# KiCad board nyx.kicad_pcb
title: Nyx; date: 2023-08-05; rev: 2; note: Copyright © 2023 HorrorTroll; note: GPL2 License
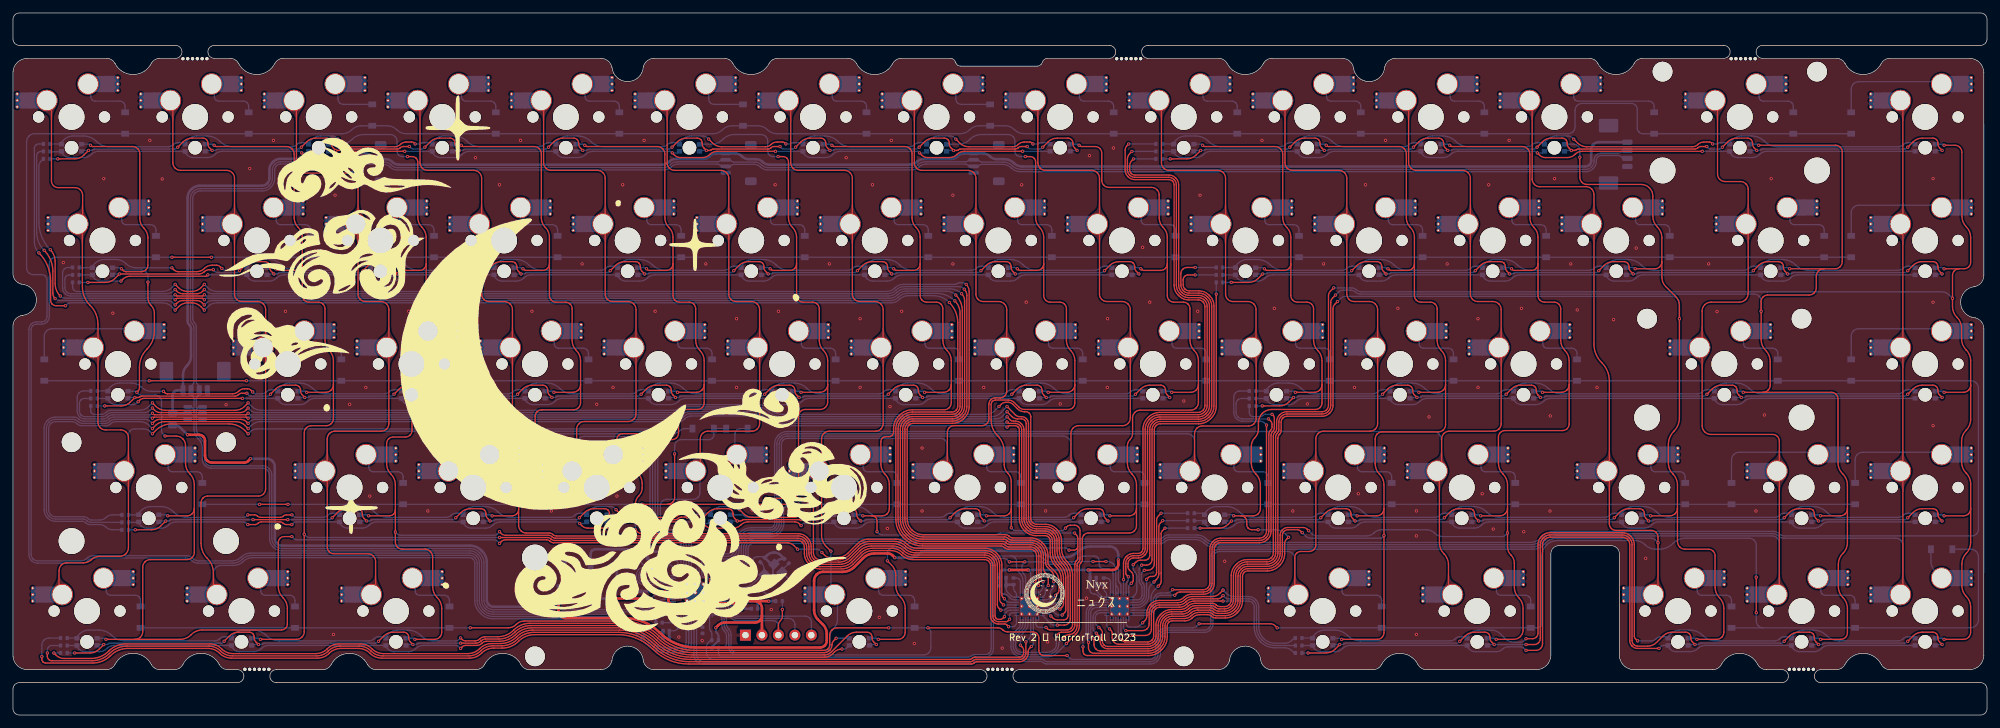
[diagram p0: board, top side]
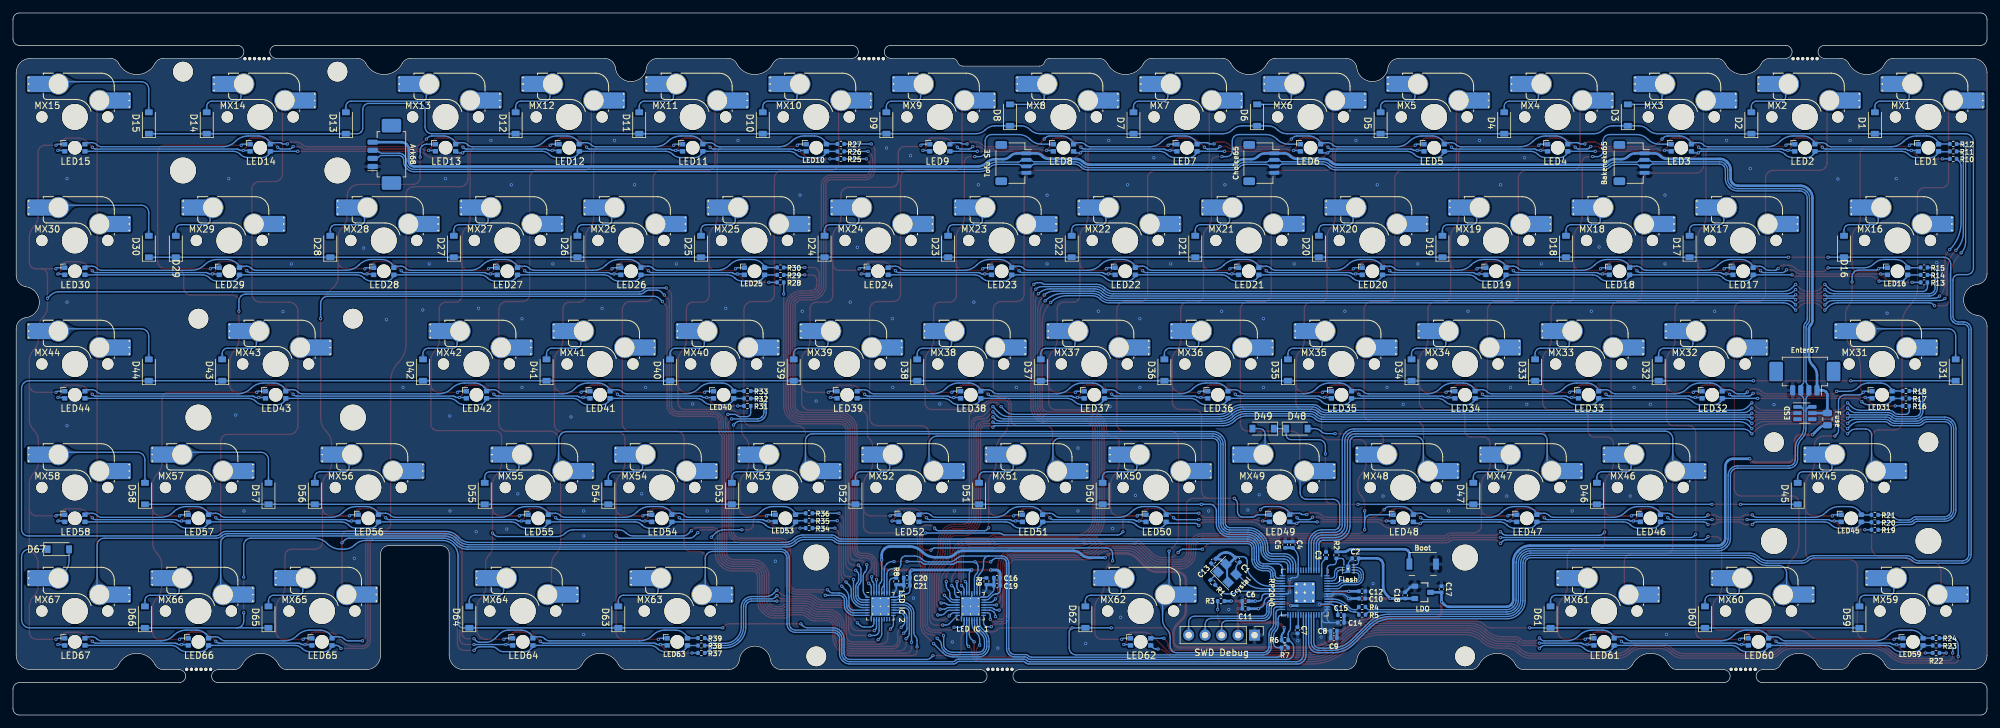
[diagram p1: board, bottom side, seen from below]

Outline 304.32 x 108.27 mm; copper layers: Top, Bottom. Coordinates in mm from the lower left corner of the outline.
Outline path: 34.6,5 1,5 arc(0.29,4.71) 0,4 0,1 arc(0.29,0.29) 1,0 303.32,0 arc(304.03,0.29) 304.32,1 304.32,4 arc(304.03,4.71) 303.32,5 278.7,5 ; 25.05,103.27 1,103.27 arc(0.29,103.57) 0,104.27 0,107.27 arc(0.29,107.98) 1,108.27 303.32,108.27 arc(304.03,107.98) 304.32,107.27 304.32,104.27 arc(304.03,103.57) 303.32,103.27 269.72,103.27 ; 25.05,101.27 22.65,101.27 arc(21.87,101.06) 21.32,100.47 arc(18.52,98.77) 15.73,100.47 arc(15.18,101.06) 14.4,101.27 2.22,101.27 arc(0.65,100.62) 0,99.05 0,68.09 arc(0.39,67.02) 1.36,66.45 arc(3.62,64.07) 1.44,61.62 arc(0.41,61.07) 0,59.98 0,9.22 arc(0.65,7.65) 2.22,7 14.4,7 arc(15.18,7.23) 15.73,7.83 arc(18.52,9.52) 21.32,7.83 arc(21.87,7.23) 22.65,7 24.88,7 arc(25.66,7.23) 26.21,7.83 arc(29,9.52) 31.79,7.83 arc(32.34,7.23) 33.12,7 34.6,7 ; 31.05,101.27 33.45,101.27 arc(34.23,101.06) 34.78,100.47 arc(37.57,98.77) 40.37,100.47 arc(40.92,101.06) 41.7,101.27 90.6,101.27 arc(91.72,100.88) 92.34,99.87 arc(94.8,97.68) 97.18,99.95 arc(97.78,100.9) 98.85,101.27 109.65,101.27 arc(110.43,101.06) 110.98,100.47 arc(113.77,98.77) 116.57,100.47 arc(117.12,101.06) 117.9,101.27 128.7,101.27 arc(129.48,101.06) 130.03,100.47 arc(132.83,98.77) 135.62,100.47 arc(136.17,101.06) 136.95,101.27 144.5,101.27 arc(145,101.11) 145.3,100.67 arc(145.6,100.24) 146.1,100.07 157.9,100.07 arc(158.4,100.24) 158.7,100.67 arc(159,101.11) 159.5,101.27 169,101.27 ; 40.6,7 47.74,7 arc(48.52,7.23) 49.07,7.83 arc(51.86,9.52) 54.66,7.83 arc(55.21,7.23) 55.99,7 71.38,7 arc(72.16,7.23) 72.71,7.83 arc(75.5,9.52) 78.29,7.83 arc(78.84,7.23) 79.62,7 90.6,7 arc(91.73,7.41) 92.34,8.44 arc(94.8,10.63) 97.18,8.36 arc(97.77,7.38) 98.85,7 149.16,7 ; 40.6,5 149.16,5 ; 155.16,7 185.8,7 arc(186.93,7.41) 187.54,8.44 arc(189.99,10.63) 192.38,8.36 arc(192.97,7.38) 194.05,7 209.66,7 arc(210.45,7.23) 211,7.83 arc(213.79,9.52) 216.58,7.83 arc(217.13,7.23) 217.91,7 234.82,7 arc(236.42,7.66) 237.07,9.25 237.07,24.87 arc(237.44,25.76) 238.32,26.12 246.4,26.12 arc(247.28,25.76) 247.65,24.87 247.65,9.25 arc(248.31,7.66) 249.9,7 262.05,7 arc(262.83,7.23) 263.38,7.83 arc(266.17,9.52) 268.97,7.83 arc(269.52,7.23) 270.3,7 272.7,7 ; 155.16,5 272.7,5 ; 169,103.27 31.05,103.27 ; 175,103.27 263.72,103.27 ; 175,101.27 185.85,101.27 arc(186.63,101.06) 187.18,100.47 arc(189.97,98.77) 192.77,100.47 arc(193.32,101.06) 194.1,101.27 204.9,101.27 arc(206.02,100.88) 206.64,99.87 arc(209.1,97.68) 211.48,99.95 arc(212.08,100.9) 213.15,101.27 243,101.27 arc(243.78,101.06) 244.33,100.47 arc(247.12,98.77) 249.92,100.47 arc(250.47,101.06) 251.25,101.27 263.72,101.27 ; 269.72,101.27 281.1,101.27 arc(281.88,101.06) 282.43,100.47 arc(285.23,98.77) 288.02,100.47 arc(288.57,101.06) 289.35,101.27 301.6,101.27 arc(303.17,100.62) 303.82,99.05 303.83,67.81 arc(303.43,66.69) 302.43,66.07 arc(300.25,63.62) 302.51,61.25 arc(303.46,60.64) 303.83,59.58 303.82,9.22 arc(303.17,7.65) 301.6,7 289.35,7 arc(288.57,7.23) 288.02,7.83 arc(285.23,9.52) 282.43,7.83 arc(281.88,7.23) 281.1,7 278.7,7
Stack: Top 0.035mm / dielectric 1.51mm FR4 er 4.5 / Bottom 0.035mm

## Placement (name value [footprint] x y rotation side)
C1  22p  [C_0402_1005Metric]  115.55 23.92 45 bottom
C2  100n  [C_0402_1005Metric]  97.37 24.17 0 bottom
C3  10u  [C_0402_1005Metric]  101.9 24.67 90 bottom
C4  100n  [C_0402_1005Metric]  107.03 26.27 90 bottom
C5  100n  [C_0402_1005Metric]  108.2 26.27 90 bottom
C6  100n  [C_0402_1005Metric]  114.33 17.57 0 bottom
C7  100n  [C_0402_1005Metric]  106.3 13.07 270 bottom
C8  100n  [C_0402_1005Metric]  100.7 13 180 bottom
C9  100n  [C_0402_1005Metric]  100.7 11.87 180 bottom
C10  100n  [C_0402_1005Metric]  96.33 17.97 180 bottom
C11  100n  [C_0402_1005Metric]  114.33 16.4 0 bottom
C12  100n  [C_0402_1005Metric]  96.33 19.08 180 bottom
C13  22p  [C_0402_1005Metric]  119.27 23.74 135 bottom
C14  1u  [C_0402_1005Metric]  99.6 14.25 180 bottom
C15  1u  [C_0402_1005Metric]  99.6 15.4 180 bottom
C16  100n  [C_0402_1005Metric]  152.62 21.17 0 bottom
C17  1u  [C_0402_1005Metric]  84.1 19.4 90 bottom
C18  1u  [C_0402_1005Metric]  89.7 18.45 90 bottom
C19  1u  [C_0402_1005Metric]  152.62 19.97 0 bottom
C20  100n  [C_0402_1005Metric]  166.52 21.17 0 bottom
C21  1u  [C_0402_1005Metric]  166.52 19.97 0 bottom
D1  1N4148W  [D_SOD-123]  17.28 91.3 90 bottom
D2  1N4148W  [D_SOD-123]  36.33 91.3 90 bottom
D3  1N4148W  [D_SOD-123]  55.38 92.52 90 bottom
D4  1N4148W  [D_SOD-123]  74.43 91.3 90 bottom
D5  1N4148W  [D_SOD-123]  93.48 91.3 90 bottom
D6  1N4148W  [D_SOD-123]  112.53 92.52 90 bottom
D7  1N4148W  [D_SOD-123]  131.58 91.3 90 bottom
D8  1N4148W  [D_SOD-123]  150.63 92.52 90 bottom
D9  1N4148W  [D_SOD-123]  169.68 91.3 90 bottom
D10  1N4148W  [D_SOD-123]  188.73 91.3 90 bottom
D11  1N4148W  [D_SOD-123]  207.78 91.3 90 bottom
D12  1N4148W  [D_SOD-123]  226.83 91.3 90 bottom
D13  1N4148W  [D_SOD-123]  253 91.3 90 bottom
D14  1N4148W  [D_SOD-123]  274.46 91.3 90 bottom
D15  1N4148W  [D_SOD-123]  283.38 91.3 90 bottom
D16  1N4148W  [D_SOD-123]  22.04 72.25 90 bottom
D17  1N4148W  [D_SOD-123]  45.86 72.25 90 bottom
D18  1N4148W  [D_SOD-123]  64.91 72.25 90 bottom
D19  1N4148W  [D_SOD-123]  83.96 72.25 90 bottom
D20  1N4148W  [D_SOD-123]  103.01 72.25 90 bottom
D21  1N4148W  [D_SOD-123]  122.06 72.25 90 bottom
D22  1N4148W  [D_SOD-123]  141.11 72.25 90 bottom
D23  1N4148W  [D_SOD-123]  160.16 72.25 90 bottom
D24  1N4148W  [D_SOD-123]  179.21 72.25 90 bottom
D25  1N4148W  [D_SOD-123]  198.26 72.25 90 bottom
D26  1N4148W  [D_SOD-123]  217.31 72.25 90 bottom
D27  1N4148W  [D_SOD-123]  236.36 72.25 90 bottom
D28  1N4148W  [D_SOD-123]  255.41 72.25 90 bottom
D29  1N4148W  [D_SOD-123]  279.22 72.25 90 bottom
D30  1N4148W  [D_SOD-123]  283.38 72.25 90 bottom
D31  1N4148W  [D_SOD-123]  4.83 53.2 90 bottom
D32  1N4148W  [D_SOD-123]  50.62 53.2 90 bottom
D33  1N4148W  [D_SOD-123]  69.67 53.2 90 bottom
D34  1N4148W  [D_SOD-123]  88.72 53.2 90 bottom
D35  1N4148W  [D_SOD-123]  107.77 53.2 90 bottom
D36  1N4148W  [D_SOD-123]  126.82 53.2 90 bottom
D37  1N4148W  [D_SOD-123]  145.87 53.2 90 bottom
D38  1N4148W  [D_SOD-123]  164.92 53.2 90 bottom
D39  1N4148W  [D_SOD-123]  183.97 53.2 90 bottom
D40  1N4148W  [D_SOD-123]  203.02 53.2 90 bottom
D41  1N4148W  [D_SOD-123]  222.07 53.2 90 bottom
D42  1N4148W  [D_SOD-123]  241.12 53.2 90 bottom
D43  1N4148W  [D_SOD-123]  272.08 53.2 90 bottom
D44  1N4148W  [D_SOD-123]  283.38 53.2 90 bottom
D45  1N4148W  [D_SOD-123]  29.19 34.15 90 bottom
D46  1N4148W  [D_SOD-123]  60.14 34.15 90 bottom
D47  1N4148W  [D_SOD-123]  79.19 34.15 90 bottom
D48  1N4148W  [D_SOD-123]  106.4 44.17 180 bottom
D49  1N4148W  [D_SOD-123]  111.6 44.17 0 bottom
D50  1N4148W  [D_SOD-123]  136.34 34.15 90 bottom
D51  1N4148W  [D_SOD-123]  155.39 34.15 90 bottom
D52  1N4148W  [D_SOD-123]  174.44 34.15 90 bottom
D53  1N4148W  [D_SOD-123]  193.49 34.15 90 bottom
D54  1N4148W  [D_SOD-123]  212.54 34.15 90 bottom
D55  1N4148W  [D_SOD-123]  231.59 34.15 90 bottom
D56  1N4148W  [D_SOD-123]  257.79 34.15 90 bottom
D57  1N4148W  [D_SOD-123]  264.93 34.15 90 bottom
D58  1N4148W  [D_SOD-123]  283.98 34.15 90 bottom
D59  1N4148W  [D_SOD-123]  19.66 15.1 90 bottom
D60  1N4148W  [D_SOD-123]  43.48 15.1 90 bottom
D61  1N4148W  [D_SOD-123]  67.29 15.1 90 bottom
D62  1N4148W  [D_SOD-123]  139 15.1 90 bottom
D63  1N4148W  [D_SOD-123]  211 15.1 90 bottom
D64  1N4148W  [D_SOD-123]  233.98 15.1 90 bottom
D65  1N4148W  [D_SOD-123]  264.93 15.1 90 bottom
D66  1N4148W  [D_SOD-123]  283.98 15.1 90 bottom
D67  1N4148W  [D_SOD-123]  297.33 25.57 180 bottom
ESD1  SRV05-4  [SOT-23-6]  28.09 46.57 180 bottom
F1  500mA  [Fuse_0805_2012Metric]  24.6 45.63 270 bottom
G***  LOGO  [Nyx_silkscreen]  81.5 54.27 0 top
G***#2  LOGO  [Nyx_logo_silkscreen]  159 18.77 0 top
J1  USB DTB  [Molex_PicoBlade_53261-0471_1x04-1MP_P1.25mm_Horizontal]  28.08 52.48 0 bottom
J2  SWD Debug  [PinHeader_1x05_P2.54mm_Vertical]  112.92 12.32 270 bottom
J3  USB DTB 2  [JST_SH_SM04B-SRSS-TB_1x04-1MP_P1.00mm_Horizontal]  54.8 85.12 270 bottom
J4  USB DTB 3  [Molex_PicoBlade_53261-0471_1x04-1MP_P1.25mm_Horizontal]  246.48 86.47 90 bottom
J5  USB DTB 4  [JST_SH_SM04B-SRSS-TB_1x04-1MP_P1.00mm_Horizontal]  111.88 85.12 270 bottom
J6  USB DTB 5  [JST_SH_SM04B-SRSS-TB_1x04-1MP_P1.00mm_Horizontal]  150.1 85.12 270 bottom
LED1  MHT151RGBCT  [LED_1206R]  9.03 87.49 180 bottom
LED2  MHT151RGBCT  [LED_1206R]  28.08 87.49 180 bottom
LED3  MHT151RGBCT  [LED_1206R]  47.13 87.49 180 bottom
LED4  MHT151RGBCT  [LED_1206R]  66.18 87.49 180 bottom
LED5  MHT151RGBCT  [LED_1206R]  85.23 87.49 180 bottom
LED6  MHT151RGBCT  [LED_1206R]  104.28 87.49 180 bottom
LED7  MHT151RGBCT  [LED_1206R]  123.33 87.49 180 bottom
LED8  MHT151RGBCT  [LED_1206R]  142.38 87.49 180 bottom
LED9  MHT151RGBCT  [LED_1206R]  161.43 87.49 180 bottom
LED10  MHT151RGBCT  [LED_1206R]  180.48 87.49 180 bottom
LED11  MHT151RGBCT  [LED_1206R]  199.53 87.49 180 bottom
LED12  MHT151RGBCT  [LED_1206R]  218.58 87.49 180 bottom
LED13  MHT151RGBCT  [LED_1206R]  237.63 87.49 180 bottom
LED14  MHT151RGBCT  [LED_1206R]  266.21 87.49 180 bottom
LED15  MHT151RGBCT  [LED_1206R]  294.78 87.49 180 bottom
LED16  MHT151RGBCT  [LED_1206R]  13.8 68.44 180 bottom
LED17  MHT151RGBCT  [LED_1206R]  37.61 68.44 180 bottom
LED18  MHT151RGBCT  [LED_1206R]  56.66 68.44 180 bottom
LED19  MHT151RGBCT  [LED_1206R]  75.71 68.44 180 bottom
LED20  MHT151RGBCT  [LED_1206R]  94.76 68.44 180 bottom
LED21  MHT151RGBCT  [LED_1206R]  113.81 68.44 180 bottom
LED22  MHT151RGBCT  [LED_1206R]  132.86 68.44 180 bottom
LED23  MHT151RGBCT  [LED_1206R]  151.91 68.44 180 bottom
LED24  MHT151RGBCT  [LED_1206R]  170.96 68.44 180 bottom
LED25  MHT151RGBCT  [LED_1206R]  190.01 68.44 180 bottom
LED26  MHT151RGBCT  [LED_1206R]  209.06 68.44 180 bottom
LED27  MHT151RGBCT  [LED_1206R]  228.11 68.44 180 bottom
LED28  MHT151RGBCT  [LED_1206R]  247.16 68.44 180 bottom
LED29  MHT151RGBCT  [LED_1206R]  270.97 68.44 180 bottom
LED30  MHT151RGBCT  [LED_1206R]  294.78 68.44 180 bottom
LED31  MHT151RGBCT  [LED_1206R]  16.18 49.39 180 bottom
LED32  MHT151RGBCT  [LED_1206R]  42.37 49.39 180 bottom
LED33  MHT151RGBCT  [LED_1206R]  61.42 49.39 180 bottom
LED34  MHT151RGBCT  [LED_1206R]  80.47 49.39 180 bottom
LED35  MHT151RGBCT  [LED_1206R]  99.52 49.39 180 bottom
LED36  MHT151RGBCT  [LED_1206R]  118.57 49.39 180 bottom
LED37  MHT151RGBCT  [LED_1206R]  137.62 49.39 180 bottom
LED38  MHT151RGBCT  [LED_1206R]  156.67 49.39 180 bottom
LED39  MHT151RGBCT  [LED_1206R]  175.72 49.39 180 bottom
LED40  MHT151RGBCT  [LED_1206R]  194.77 49.39 180 bottom
LED41  MHT151RGBCT  [LED_1206R]  213.82 49.39 180 bottom
LED42  MHT151RGBCT  [LED_1206R]  232.87 49.39 180 bottom
LED43  MHT151RGBCT  [LED_1206R]  263.83 49.39 180 bottom
LED44  MHT151RGBCT  [LED_1206R]  294.78 49.39 180 bottom
LED45  MHT151RGBCT  [LED_1206R]  20.94 30.34 180 bottom
LED46  MHT151RGBCT  [LED_1206R]  51.9 30.34 180 bottom
LED47  MHT151RGBCT  [LED_1206R]  70.95 30.34 180 bottom
LED48  MHT151RGBCT  [LED_1206R]  90 30.34 180 bottom
LED49  MHT151RGBCT  [LED_1206R]  109.05 30.34 180 bottom
LED50  MHT151RGBCT  [LED_1206R]  128.1 30.34 180 bottom
LED51  MHT151RGBCT  [LED_1206R]  147.15 30.34 180 bottom
LED52  MHT151RGBCT  [LED_1206R]  166.2 30.34 180 bottom
LED53  MHT151RGBCT  [LED_1206R]  185.25 30.34 180 bottom
LED54  MHT151RGBCT  [LED_1206R]  204.3 30.34 180 bottom
LED55  MHT151RGBCT  [LED_1206R]  223.35 30.34 180 bottom
LED56  MHT151RGBCT  [LED_1206R]  249.54 30.34 180 bottom
LED57  MHT151RGBCT  [LED_1206R]  275.73 30.34 180 bottom
LED58  MHT151RGBCT  [LED_1206R]  294.78 30.34 180 bottom
LED59  MHT151RGBCT  [LED_1206R]  11.42 11.29 180 bottom
LED60  MHT151RGBCT  [LED_1206R]  35.23 11.29 180 bottom
LED61  MHT151RGBCT  [LED_1206R]  59.04 11.29 180 bottom
LED62  MHT151RGBCT  [LED_1206R]  130.48 11.29 180 bottom
LED63  MHT151RGBCT  [LED_1206R]  201.92 11.29 180 bottom
LED64  MHT151RGBCT  [LED_1206R]  225.73 11.29 180 bottom
LED65  MHT151RGBCT  [LED_1206R]  256.68 11.29 180 bottom
LED66  MHT151RGBCT  [LED_1206R]  275.73 11.29 180 bottom
LED67  MHT151RGBCT  [LED_1206R]  294.78 11.29 180 bottom
M1  Mousebite Top  [mousebites_2mm_big_width]  28.05 101.27 270 top
M2  Mousebite Top  [mousebites_2mm_big_width]  172 101.27 270 top
M3  Mousebite Top  [mousebites_2mm_big_width]  266.72 101.27 270 top
M4  Mousebite Bottom  [mousebites_2mm_big_width]  37.6 7 90 top
M5  Mousebite Bottom  [mousebites_2mm_big_width]  152.16 7 90 top
M6  Mousebite Bottom  [mousebites_2mm_big_width]  275.7 7 90 top
MX1  1u  [SW_MX_HS_1u_socket]  9.03 92.24 180 bottom
MX2  1u  [SW_MX_HS_1u_socket]  28.08 92.24 180 bottom
MX3  1u  [SW_MX_HS_1u_socket]  47.13 92.24 180 bottom
MX4  1u  [SW_MX_HS_1u_socket]  66.18 92.24 180 bottom
MX5  1u  [SW_MX_HS_1u_socket]  85.23 92.24 180 bottom
MX6  1u  [SW_MX_HS_1u_socket]  104.28 92.24 180 bottom
MX7  1u  [SW_MX_HS_1u_socket]  123.33 92.24 180 bottom
MX8  1u  [SW_MX_HS_1u_socket]  142.38 92.24 180 bottom
MX9  1u  [SW_MX_HS_1u_socket]  161.43 92.24 180 bottom
MX10  1u  [SW_MX_HS_1u_socket]  180.48 92.24 180 bottom
MX11  1u  [SW_MX_HS_1u_socket]  199.53 92.24 180 bottom
MX12  1u  [SW_MX_HS_1u_socket]  218.58 92.24 180 bottom
MX13  1u  [SW_MX_HS_1u_socket]  237.63 92.24 180 bottom
MX14  2u  [SW_MX_HS_1u_socket]  266.21 92.24 180 bottom
MX15  1u  [SW_MX_HS_1u_socket]  294.78 92.24 180 bottom
MX16  1.5u  [SW_MX_HS_1.5u_socket]  13.8 73.19 180 bottom
MX17  1u  [SW_MX_HS_1u_socket]  37.61 73.19 180 bottom
MX18  1u  [SW_MX_HS_1u_socket]  56.66 73.19 180 bottom
MX19  1u  [SW_MX_HS_1u_socket]  75.71 73.19 180 bottom
MX20  1u  [SW_MX_HS_1u_socket]  94.76 73.19 180 bottom
MX21  1u  [SW_MX_HS_1u_socket]  113.81 73.19 180 bottom
MX22  1u  [SW_MX_HS_1u_socket]  132.86 73.19 180 bottom
MX23  1u  [SW_MX_HS_1u_socket]  151.91 73.19 180 bottom
MX24  1u  [SW_MX_HS_1u_socket]  170.96 73.19 180 bottom
MX25  1u  [SW_MX_HS_1u_socket]  190.01 73.19 180 bottom
MX26  1u  [SW_MX_HS_1u_socket]  209.06 73.19 180 bottom
MX27  1u  [SW_MX_HS_1u_socket]  228.11 73.19 180 bottom
MX28  1u  [SW_MX_HS_1u_socket]  247.16 73.19 180 bottom
MX29  1.5u  [SW_MX_HS_1.5u_socket]  270.97 73.19 180 bottom
MX30  1u  [SW_MX_HS_1u_socket]  294.78 73.19 180 bottom
MX31  1.75u  [SW_MX_HS_1.75u_socket]  16.18 54.14 180 bottom
MX32  1u  [SW_MX_HS_1u_socket]  42.37 54.14 180 bottom
MX33  1u  [SW_MX_HS_1u_socket]  61.42 54.14 180 bottom
MX34  1u  [SW_MX_HS_1u_socket]  80.47 54.14 180 bottom
MX35  1u  [SW_MX_HS_1u_socket]  99.52 54.14 180 bottom
MX36  1u  [SW_MX_HS_1u_socket]  118.57 54.14 180 bottom
MX37  1u  [SW_MX_HS_1u_socket]  137.62 54.14 180 bottom
MX38  1u  [SW_MX_HS_1u_socket]  156.67 54.14 180 bottom
MX39  1u  [SW_MX_HS_1u_socket]  175.72 54.14 180 bottom
MX40  1u  [SW_MX_HS_1u_socket]  194.77 54.14 180 bottom
MX41  1u  [SW_MX_HS_1u_socket]  213.82 54.14 180 bottom
MX42  1u  [SW_MX_HS_1u_socket]  232.87 54.14 180 bottom
MX43  2.25u  [SW_MX_HS_1u_socket]  263.83 54.14 180 bottom
MX44  1u  [SW_MX_HS_1u_socket]  294.78 54.14 180 bottom
MX45  2.25u  [SW_MX_HS_1u_socket]  20.94 35.09 180 bottom
MX46  1u  [SW_MX_HS_1u_socket]  51.9 35.09 180 bottom
MX47  1u  [SW_MX_HS_1u_socket]  70.95 35.09 180 bottom
MX48  1u  [SW_MX_HS_1u_socket]  90 35.09 180 bottom
MX49  1u  [SW_MX_HS_1u_socket]  109.05 35.09 180 bottom
MX50  1u  [SW_MX_HS_1u_socket]  128.1 35.09 180 bottom
MX51  1u  [SW_MX_HS_1u_socket]  147.15 35.09 180 bottom
MX52  1u  [SW_MX_HS_1u_socket]  166.2 35.09 180 bottom
MX53  1u  [SW_MX_HS_1u_socket]  185.25 35.09 180 bottom
MX54  1u  [SW_MX_HS_1u_socket]  204.3 35.09 180 bottom
MX55  1u  [SW_MX_HS_1u_socket]  223.35 35.09 180 bottom
MX56  1.75u  [SW_MX_HS_1.75u_socket]  249.54 35.09 180 bottom
MX57  1u  [SW_MX_HS_1u_socket]  275.73 35.09 180 bottom
MX58  1u  [SW_MX_HS_1u_socket]  294.78 35.09 180 bottom
MX59  1.25u  [SW_MX_HS_1.25u_socket]  11.42 16.04 180 bottom
MX60  1.25u  [SW_MX_HS_1.25u_socket]  35.23 16.04 180 bottom
MX61  1.25u  [SW_MX_HS_1.25u_socket]  59.04 16.04 180 bottom
MX62  6.25u  [SW_MX_HS_1u_socket]  130.48 16.04 180 bottom
MX63  1.25u  [SW_MX_HS_1.25u_socket]  201.92 16.04 180 bottom
MX64  1.25u  [SW_MX_HS_1.25u_socket]  225.73 16.04 180 bottom
MX65  1u  [SW_MX_HS_1u_socket]  256.68 16.04 180 bottom
MX66  1u  [SW_MX_HS_1u_socket]  275.73 16.04 180 bottom
MX67  1u  [SW_MX_HS_1u_socket]  294.78 16.04 180 bottom
R1  1k  [R_0402_1005Metric]  119.37 20.45 45 bottom
R2  1k  [R_0402_1005Metric]  100.3 24.67 270 bottom
R3  10k  [R_0402_1005Metric]  118.1 17.57 0 bottom
R4  27R  [R_0402_1005Metric]  96.33 16.67 180 bottom
R5  27R  [R_0402_1005Metric]  96.33 15.47 180 bottom
R6  4.7k  [R_0402_1005Metric]  108.25 11.55 180 bottom
R7  4.7k  [R_0402_1005Metric]  108.25 10.39 0 bottom
R8  10k  [R_0402_1005Metric]  168.15 20.62 270 bottom
R9  10k  [R_0402_1005Metric]  154.25 20.62 270 bottom
R10  20R  [R_0402_1005Metric]  5.2 85.77 0 bottom
R11  20R  [R_0402_1005Metric]  5.2 86.92 0 bottom
R12  51R  [R_0402_1005Metric]  5.2 88.07 0 bottom
R13  20R  [R_0402_1005Metric]  9.7 66.72 0 bottom
R14  20R  [R_0402_1005Metric]  9.7 67.87 0 bottom
R15  51R  [R_0402_1005Metric]  9.7 69.02 0 bottom
R16  20R  [R_0402_1005Metric]  12.5 47.67 0 bottom
R17  20R  [R_0402_1005Metric]  12.5 48.82 0 bottom
R18  51R  [R_0402_1005Metric]  12.5 49.98 0 bottom
R19  20R  [R_0402_1005Metric]  17.3 28.57 0 bottom
R20  20R  [R_0402_1005Metric]  17.3 29.72 0 bottom
R21  51R  [R_0402_1005Metric]  17.3 30.87 0 bottom
R22  20R  [R_0402_1005Metric]  7.85 9.57 0 bottom
R23  20R  [R_0402_1005Metric]  7.85 10.72 0 bottom
R24  51R  [R_0402_1005Metric]  7.85 11.87 0 bottom
R25  20R  [R_0402_1005Metric]  176.7 85.77 0 bottom
R26  20R  [R_0402_1005Metric]  176.7 86.92 0 bottom
R27  51R  [R_0402_1005Metric]  176.7 88.07 0 bottom
R28  20R  [R_0402_1005Metric]  186.01 66.72 0 bottom
R29  20R  [R_0402_1005Metric]  186.01 67.87 0 bottom
R30  51R  [R_0402_1005Metric]  186.01 69.02 0 bottom
R31  20R  [R_0402_1005Metric]  191.1 47.67 0 bottom
R32  20R  [R_0402_1005Metric]  191.1 48.82 0 bottom
R33  51R  [R_0402_1005Metric]  191.1 49.97 0 bottom
R34  20R  [R_0402_1005Metric]  181.6 28.82 0 bottom
R35  20R  [R_0402_1005Metric]  181.6 29.97 0 bottom
R36  51R  [R_0402_1005Metric]  181.6 31.12 0 bottom
R37  20R  [R_0402_1005Metric]  198.2 9.57 0 bottom
R38  20R  [R_0402_1005Metric]  198.2 10.72 0 bottom
R39  51R  [R_0402_1005Metric]  198.2 11.87 0 bottom
RG1  -  [XC6206P332MR]  87 18.92 180 bottom
S1  2u  [STAB_MX_2u]  266.21 92.24 0 top
S2  2.25u  [STAB_MX_2.25u]  263.83 54.14 0 top
S3  2.25u  [STAB_MX_2.25u]  20.94 35.09 0 top
S4  6.25u  [STAB_MX_6.25u]  130.48 16.04 180 top
SW1  BOOT  [SW_SPST_Litte_Turtle_2P]  87 23.27 0 bottom
U1  ZD25Q80BNIGR  [USON-8_1.5x1.5mm_P0.45mm]  98.5 22.57 180 bottom
U2  -  [IS31FL3729-QF]  156.7 16.77 180 bottom
U3  RP2040  [RP2040-QFN-56]  105.18 18.88 270 bottom
U4  -  [IS31FL3729-QF]  170.6 16.77 180 bottom
Y1  12Mhz  [Crystal_SMD_3225-4Pin_3.2x2.5mm]  117.15 21.87 225 bottom

## Library data of the parts
C1 C13 = -: Description: Unpolarized capacitor; LCSC Part Number: C1555
C2 C4-C12 C16 C20 = -: Description: Unpolarized capacitor; LCSC Part Number: C307331
C3 = -: Description: Unpolarized capacitor; LCSC Part Number: C15525
C14 C15 C17-C19 C21 = -: Description: Unpolarized capacitor; LCSC Part Number: C52923
D1-D67 = -: Description: Diode; LCSC Part Number: C81598
ESD1 = -: Description: ESD Protection Diodes with Low Clamping Voltage, SOT-23-6; LCSC Part Number: C85364
F1 = -: Description: Resettable fuse, polymeric positive temperature coefficient; LCSC Part Number: C269104
J1 J4 = -: Description: Generic connector, single row, 01x04, script generated (kicad-library-utils/schlib/autogen/connector/); LCSC Part Number: C240847
J2 = -: Description: Generic connector, single row, 01x05, script generated (kicad-library-utils/schlib/autogen/connector/)
J3 J5 J6 = -: Description: Generic connector, single row, 01x04, script generated (kicad-library-utils/schlib/autogen/connector/); LCSC Part Number: C160404
LED1-LED67 = -: Description: RGB LED, anode/blue/green/red; LCSC Part Number: C409782; Field5: 1
M1-M6 = -: Description: Mounting Hole without connection
MX1-MX67 = -: Description: Push button switch, normally open, two pins, 45° tilted; LCSC Part Number: C5156480
R1 R2 = -: Description: Resistor; LCSC Part Number: C11702
R3 R8 R9 = -: Description: Resistor; LCSC Part Number: C25744
R4 R5 = -: Description: Resistor; LCSC Part Number: C25100
R6 R7 = -: Description: Resistor; LCSC Part Number: C25900
R10 R11 R13 R14 R16 R17 R19 R20 R22 R23 R25 R26 R28 R29 R31 R32 R34 R35 R37 R38 = -: Description: Resistor; LCSC Part Number: C25089
R12 R15 R18 R21 R24 R27 R30 R33 R36 R39 = -: Description: Resistor; LCSC Part Number: C25125
RG1 = -: LCSC Part Number: C5446
S1-S4 = -: Description: Cherry MX-style stabilizer
U1 = -: Description: 8Mb Serial Flash Memory, Standard/Dual/Quad SPI, USON-8; LCSC Part Number: C3035284
U2 U4 = -: Description: 16x8 & 15x9 LED matrix driver with 8-bit PWM, QFN-32; LCSC Part Number: C2940549
U3 = -: LCSC Part Number: C2040
Y1 = -: Description: Four pin crystal, GND on pins 2 and 4; LCSC Part Number: C9002
